# Altium PCB MainBoard.PcbDoc
Units mil, origin at the board's own origin, x right, y up, seen from the top; angles counter-clockwise.
Board outline 11811.02 x 7519.69 mil, 2 copper layers (Top Layer, Bottom Layer); 21 components, 88 nets, 330 pads, 0 vias.
Unrouted connection lines stored in the file: 39.
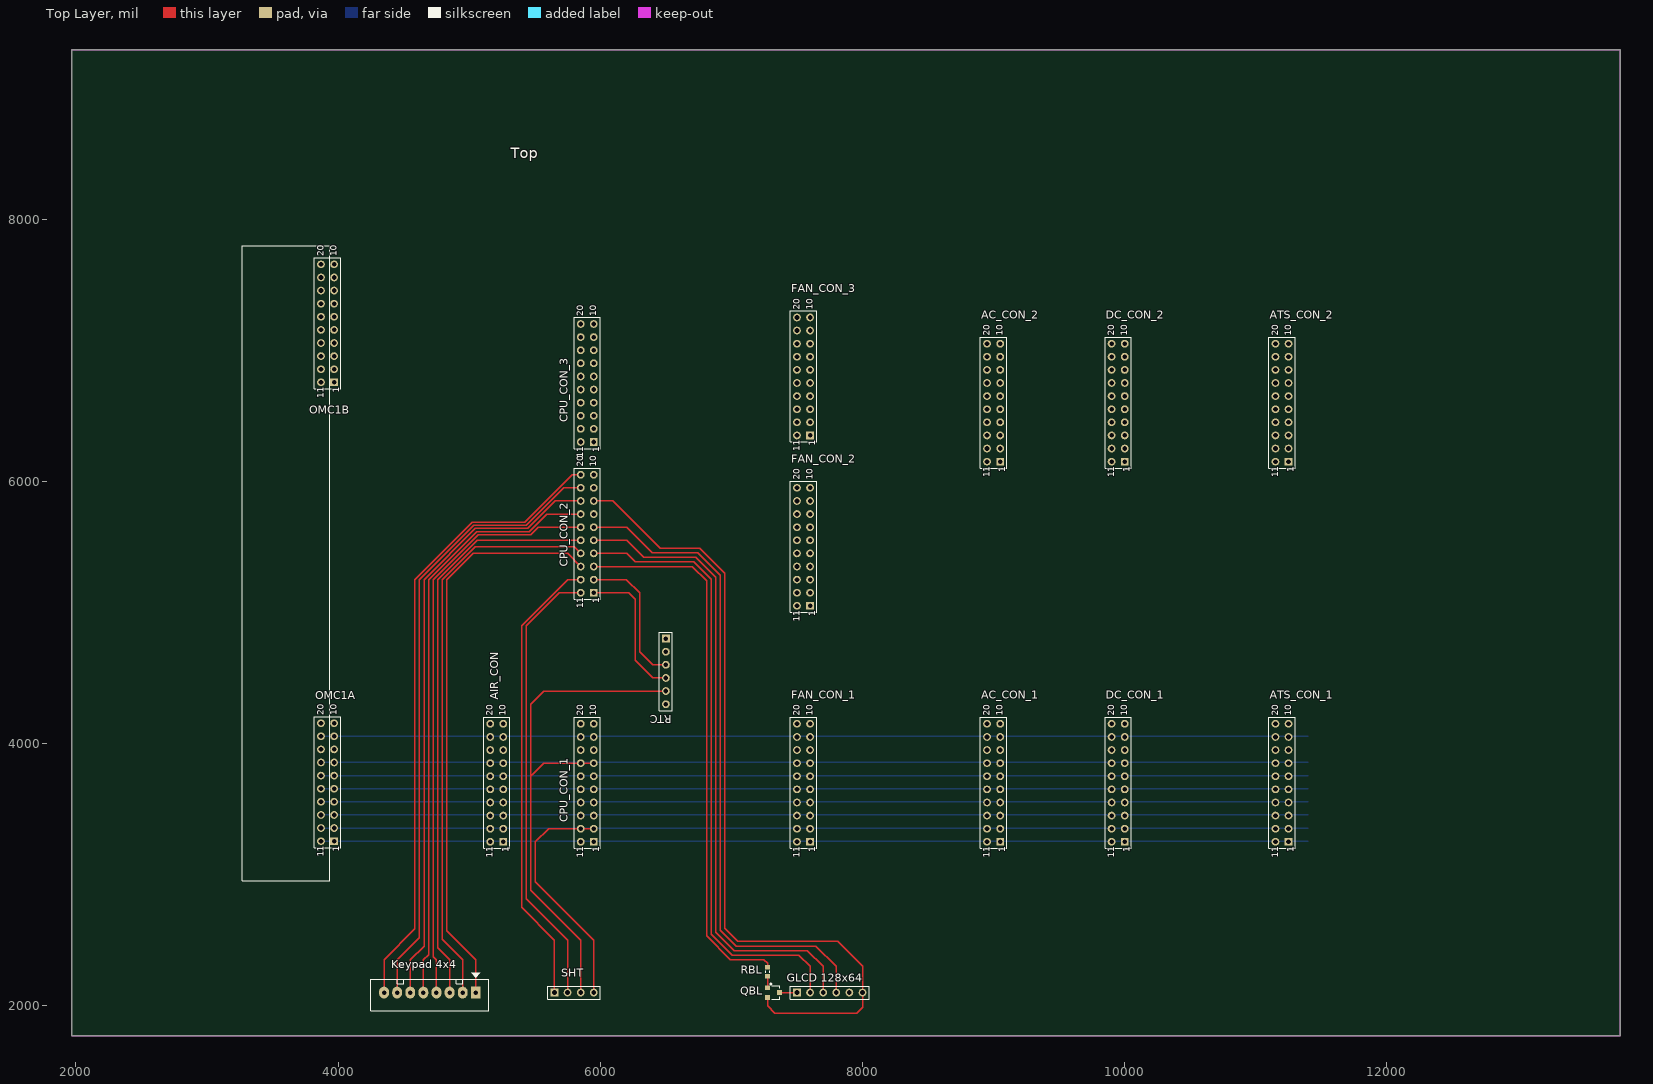
[diagram p0: Top Layer view]
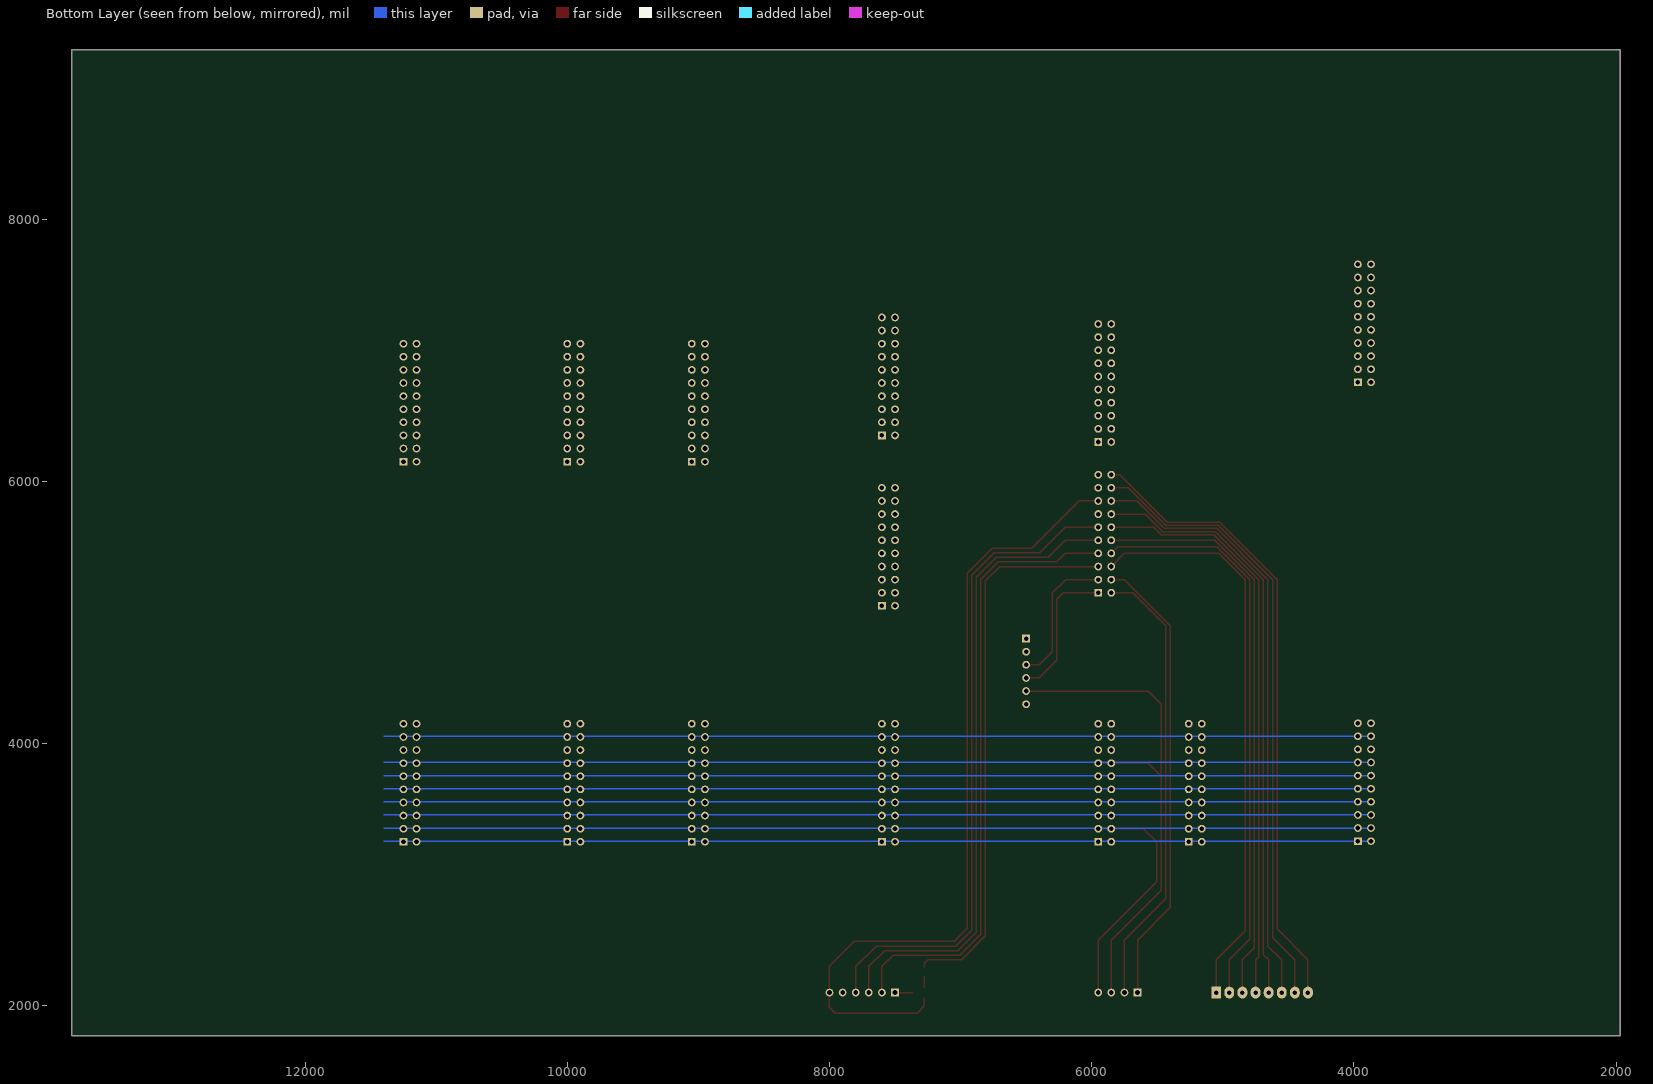
[diagram p1: Bottom Layer view, seen from below]

## Layer stack, top to bottom
Top Solder: solder mask 0.4, Solder Resist, Dk 3.5
Top Layer: signal copper 1.4
Dielectric 1: dielectric 12.6, FR-4, Dk 4.8
Bottom Layer: signal copper 1.4
Bottom Solder: solder mask 0.4, Solder Resist, Dk 3.5

## Board outline
1968.5,1771.65 13779.53,1771.65 13779.53,9291.34 1968.5,9291.34

## Design rules (kind name [scope] priority, off if disabled: settings)
Clearance Clearance_2 [All vs HasPad('FID*')] p1: gap=80
Clearance Clearance_7 [InNet('GND') vs InNet('VAC1')] p2: gap=120
Clearance Clearance_12 [InNet('VAC1') vs InNet('GND')] p3: gap=80
Clearance Clearance_11 [InNet('AGND') vs InNet('GND')] p4: gap=80
Clearance Clearance_8 [InNet('AGND') vs InNet('VAC1')] p5: gap=80
Clearance Clearance_4 [InNet('KDT4') vs (InPoly)] p6: gap=80
Clearance Clearance_5 [InNet('NetK6_2') vs (InPoly)] p7: gap=80
Clearance Clearance_6 [InNet('NetK6_3') vs (InPoly)] p8: gap=80
Clearance Clearance_3 [All vs HasFootprint('XPAD')] p9: gap=2
Clearance Clearance_1 [All vs (InPoly)] p10: gap=40
Clearance [All] p11: gap=10
ComponentClearance [All] p1 off: gap=10 collisioncheckmode=3 verticalgap=10 showdistances=FALSE
FabricationTestPointUsage TestPointUsage [All] p1: valid=0 allowmultiple=FALSE
FabricationTestpoint Testpoint [All] p1: side=3 testpointundercomponent=TRUE minsize=40 maxsize=100 preferedsize=60 minholesize=20 maxholesize=40 preferedholesize=32 testpointgrid=1 allowsidetop=TRUE allowsidebottom=TRUE usegrid=TRUE gridtolerance=0.01
HoleSize [All] p1: absolutevalues=TRUE maxlimit=1000 minlimit=0 maxpercent=80.000 minpercent=20.000
PasteMaskExpansion PasteMaskExpansion_1 [HasPad('FID*')] p1: expansion=-160
PasteMaskExpansion [All] p2: expansion=0
PolygonConnect [All] p1: connectstyle=Direct reliefconductorwidth=10 reliefentries=4 polygonreliefangle="90 Angle" airgapwidth=10
RoutingVias [All] p1: holewidth=28 width=50 viastyle="Through Hole" minholewidth=28 minwidth=50 maxholewidth=28 maxwidth=50
SolderMaskExpansion SolderMaskExpansion_1 [HasPad('FID*')] p1: expansion=40
SolderMaskExpansion [All] p2: expansion=4
Width [All] p1: maxlimit=1000 minlimit=5 preferedwidth=40
25 further rules are at their usual default settings.

## Components (designator, comment, footprint, x,y, rotation, side; value= is the part's Value field where it differs from the comment)
AC_CON_1 "Header 10X2A" HDR2X10_CEN 9050,3250 r90 top
AC_CON_2 "Header 10X2A" HDR2X10_CEN 9050,6150 r90 top
AIR_CON "Header 10X2A" HDR2X10_CEN 5260,3250 r90 top
ATS_CON_1 "Header 10X2A" HDR2X10_CEN 11250,3250 r90 top
ATS_CON_2 "Header 10X2A" HDR2X10_CEN 11250,6150 r90 top
CPU_CON_1 "Header 10X2A" HDR2X10_CEN 5950,3250 r90 top
CPU_CON_2 "Header 10X2A" HDR2X10_CEN 5950,5150 r90 top
CPU_CON_3 "Header 10X2A" HDR2X10_CEN 5950,6300 r90 top
DC_CON_1 "Header 10X2A" HDR2X10_CEN 10000,3250 r90 top
DC_CON_2 "Header 10X2A" HDR2X10_CEN 10000,6150 r90 top
FAN_CON_1 "Header 10X2A" HDR2X10_CEN 7600,3250 r90 top
FAN_CON_2 "Header 10X2A" HDR2X10_CEN 7600,5050 r90 top
FAN_CON_3 "Header 10X2A" HDR2X10_CEN 7600,6350 r90 top
"GLCD 128x64" "Header 6" HDR1X6 7500,2100 r0 top
"Keypad 4x4" "JP8" CON8 5050,2100 r180 top
OMC1A "Header 10X2A" HDR2X10_CEN 3969,3255 r90 top
OMC1B "Header 10X2A" HDR2X10_CEN 3969,6755 r90 top locked
QBL "C828" "SOT23 TOP" 7321,2100 r270 top
RBL "Res" RESC1608N_ZERO 7276,2259 r270 top
RTC "Header 6" HDR1X6 6500,4800 r270 top
SHT "Header 4" HDR1X4 5650,2100 r0 top

## Footprints (in the part's own frame and the unit in brackets; to place one, negate y for a bottom-side part, rotate by r counter-clockwise, add the part's x,y. Pads: shape width x height; smd on the part's side, far side on the other; paste and mask are expansions set on the pad)
CON8 [mil] "CON8"
  rect 75x90 hole 34: 1(0,0)
  oval 75x90 hole 34: 2(100,0) 3(200,0) 4(300,0) 5(400,0) 6(500,0) 7(600,0) 8(700,0)
  silkscreen extent -100,-150 800,140
HDR1X4 [mm] "Connector; Header; 4 Position"
  rect 1.5x1.5 hole 0.9: 1(0,0)
  round 1.5 hole 0.9: 2(2.54,0) 3(5.08,0) 4(7.62,0)
  silkscreen extent -1.27,-1.27 8.89,1.27, body extent -1.27,-1.27 8.89,1.27, height 7
HDR1X6 [mm] "Connector; Header; 6 Position"
  rect 1.5x1.5 hole 0.9: 1(0,0)
  round 1.5 hole 0.9: 2(2.54,0) 3(5.08,0) 4(7.62,0) 5(10.16,0) 6(12.7,0)
  silkscreen extent -1.27,-1.27 13.97,1.27
HDR2X10_CEN [mm] "Connector; Header; 10x2 Position"
  rect 1.5x1.5 hole 0.9: 1(0,0)
  round 1.5 hole 0.9: 2(2.54,0) 3(5.08,0) 4(7.62,0) 5(10.16,0) 6(12.7,0) 7(15.24,0) 8(17.78,0) 9(20.32,0) 10(22.86,0) 11(0,2.54) 12(2.54,2.54) 13(5.08,2.54) 14(7.62,2.54) 15(10.16,2.54) 16(12.7,2.54) 17(15.24,2.54) 18(17.78,2.54) 19(20.32,2.54) 20(22.86,2.54)
  silkscreen extent -1.27,-1.27 24.13,3.81
RESC1608N_ZERO [mm] "Chip Resistor, Body 1.6x0.8mm, 0603, IPC Medium Density"
  round 0.254 on Mech14: 0(0,0)
  rrect25% 0.9x1 smd: 1(-0.85,0) 2(0.85,0)
  Top Layer pour cut-out: -0.4,0.6 0.4,0.6 0.4,-0.6 -0.4,-0.6
  silkscreen extent -0.15,-0.41 0.15,0.41, body extent -0.87,-0.47 0.88,0.48, height 0.54
"SOT23 TOP" [mm]
  rect 0.9x0.95 smd: 1(-0.965,-1.143) 2(0,1.143) 3(0.965,-1.143)
  silkscreen extent -1.77,-0.63 1.3,1.25, body extent -1.46,-1.17 1.46,1.17, height 1

## Part data
AC_CON_1 AC_CON_2 AIR_CON ATS_CON_1 ATS_CON_2 CPU_CON_1 CPU_CON_2 CPU_CON_3 DC_CON_1 DC_CON_2 FAN_CON_1 FAN_CON_2 FAN_CON_3 OMC1A OMC1B: "Header, 10-Pin, Dual row"
"GLCD 128x64" RTC: "Header, 6-Pin"
"Keypad 4x4": library part Con8, "Connector 8"
QBL: library part NPN, "Transistor C828 C1815...."
SHT: "Header, 4-Pin"

## Nets (pads, with @x,y where several pads share a name; then routed paths per layer and width w, separated by ;. In a path a pad name is that pad's centre, name@x,y a point inside that pad or via, vN(x,y) a via of type N, cw(c..) or ccw(c..) an arc to the next point about the centre after c; other vN are vias at no path point)
+3V3: AC_CON_1.7 AC_CON_1.17 AIR_CON.7 AIR_CON.17 ATS_CON_1.7 ATS_CON_1.17 CPU_CON_1.7 CPU_CON_1.17 DC_CON_1.7 DC_CON_1.17 FAN_CON_1.7 FAN_CON_1.17 OMC1A.7 OMC1A.17 RTC.5 SHT.3 | length 11481.2
  Top Layer w10: SHT.3 5850,2500 5470,2880 5470,3750 ; CPU_CON_1.7 CPU_CON_1.17 5570,3850 5470,3750 ; RTC.5 5570,4400 5470,4300 5470,3750
  Bottom Layer w10: OMC1A.17 OMC1A.7 11400,3855
+5V_IN: "GLCD 128x64.5" AC_CON_1.3 AC_CON_1.13 AIR_CON.3 AIR_CON.13 ATS_CON_1.3 ATS_CON_1.13 CPU_CON_1.3 CPU_CON_1.13 CPU_CON_2.7 DC_CON_1.3 DC_CON_1.13 FAN_CON_1.3 FAN_CON_1.13 OMC1A.3 OMC1A.13 | length 7531
  Bottom Layer w10: OMC1A.13 OMC1A.3 11400,3455
+12V_IN: AC_CON_1.1 AC_CON_1.11 AIR_CON.1 AIR_CON.11 ATS_CON_1.1 ATS_CON_1.11 CPU_CON_1.1 CPU_CON_1.11 DC_CON_1.1 DC_CON_1.11 FAN_CON_1.1 FAN_CON_1.11 OMC1A.1 OMC1A.11 | length 7531
  Bottom Layer w10: OMC1A.11 OMC1A.1 10143,3255 11400,3255
+48V_IN: FAN_CON_3.10 FAN_CON_3.20
AUX1: CPU_CON_3.9
AUX2: CPU_CON_3.8
AUX3: CPU_CON_3.7
AUX4: CPU_CON_3.6
AUX5: CPU_CON_3.5
AUX6: CPU_CON_3.4
AUX7: CPU_CON_3.3
AUX8: CPU_CON_3.2
AUX9: CPU_CON_3.1
CF: AC_CON_2.4
COLUM1: "Keypad 4x4.5" CPU_CON_2.17 | length 4533.7
  Top Layer w10: 4650,2100 4650,2350 4690,2390 4690,5250 5056.72,5616.72 5456.72,5616.72 5590,5750 CPU_CON_2.17
COLUM2: "Keypad 4x4.6" CPU_CON_2.18 | length 4637
  Top Layer w10: 4550,2100 4550,2350 4655,2455 4655,5250 5045.07,5640.07 5445.07,5640.07 5655,5850 CPU_CON_2.18
COLUM3: "Keypad 4x4.7" CPU_CON_2.19 | length 4740.4
  Top Layer w10: 4450,2100 4450,2350 4620,2520 4620,5250 5033.43,5663.43 5433.43,5663.43 5720,5950 CPU_CON_2.19
COLUM4: "Keypad 4x4.8" CPU_CON_2.20 | length 4843.7
  Top Layer w10: 4350,2100 4350,2350 4585,2585 4585,5250 5021.79,5686.79 5421.79,5686.79 5785,6050 CPU_CON_2.20
COM1: OMC1B.16
COM2: OMC1B.17
COM3: OMC1B.18
COM4: OMC1B.19
COM5: OMC1B.20
COM6: OMC1B.11
COM7: OMC1B.12
COM8: OMC1B.13
COM9: OMC1B.14
COM10: OMC1B.15
CTA: AC_CON_2.10
CTB: AC_CON_2.9
DC0: DC_CON_2.20
DC1: DC_CON_2.19
DC2: DC_CON_2.18
DC3: DC_CON_2.17
DC4: DC_CON_2.16
DC5: DC_CON_2.15
DC6: DC_CON_2.14
FAN1_OUT: FAN_CON_2.6 FAN_CON_2.7 FAN_CON_2.8 FAN_CON_2.9 FAN_CON_2.10
FAN2_OUT: FAN_CON_2.1 FAN_CON_2.2 FAN_CON_2.3 FAN_CON_2.4 FAN_CON_2.5
FAN3_OUT: FAN_CON_2.16 FAN_CON_2.17 FAN_CON_2.18 FAN_CON_2.19 FAN_CON_2.20
FAN4_OUT: FAN_CON_2.11 FAN_CON_2.12 FAN_CON_2.13 FAN_CON_2.14 FAN_CON_2.15
GATEA: CPU_CON_3.20
GCF: ATS_CON_2.4
GCTA: ATS_CON_2.10
GCTB: ATS_CON_2.9
GLCD_BL: CPU_CON_2.3 RBL.1 | length 4196.1
  Top Layer w10: CPU_CON_2.3 6700,5350 6810,5240 6810,2532.01 6992.01,2350 7248,2350 7276,2322 RBL.1
GLCD_EN: "GLCD 128x64.2" CPU_CON_2.4 | length 4741.1
  Top Layer w10: CPU_CON_2.4 6200,5450 6265,5385 6714.5,5385 6845,5254.5 6845,2546.51 7006.51,2385 7515,2385 7600,2300 7600,2100
GLCD_RS: "GLCD 128x64.4" CPU_CON_2.6 | length 5023.9
  Top Layer w10: CPU_CON_2.6 6200,5650 6395,5455 6743.49,5455 6915,5283.49 6915,2575.5 7035.5,2455 7645,2455 7800,2300 7800,2100
GLCD_RW: "GLCD 128x64.3" CPU_CON_2.5 | length 4882.5
  Top Layer w10: CPU_CON_2.5 6200,5550 6330,5420 6728.99,5420 6880,5268.99 6880,2561.01 7021.01,2420 7580,2420 7700,2300 7700,2100
GLIVE_IN: ATS_CON_2.5
GND: "GLCD 128x64.6" AC_CON_1.2 AC_CON_1.4 AC_CON_1.12 AC_CON_1.14 AIR_CON.2 AIR_CON.4 AIR_CON.12 AIR_CON.14 ATS_CON_1.2 ATS_CON_1.4 ATS_CON_1.12 ATS_CON_1.14 CPU_CON_1.2 CPU_CON_1.4 CPU_CON_1.12 CPU_CON_1.14 CPU_CON_2.8 DC_CON_1.2 DC_CON_1.4 DC_CON_1.12 DC_CON_1.14 FAN_CON_1.2 FAN_CON_1.4 FAN_CON_1.12 FAN_CON_1.14 OMC1A.2 OMC1A.4 OMC1A.12 OMC1A.14 QBL.3 RTC.6 SHT.4 | length 23129.5
  Top Layer w10: SHT.4 5950,2500 5505,2945 5505,3250 5605,3350 CPU_CON_1.12 CPU_CON_1.2 ; CPU_CON_2.8 6096.21,5850 6456.21,5490 6757.99,5490 6950,5297.99 6950,2590 7050,2490 7810,2490 8000,2300 8000,2100 8000,1988 7956,1944 7331,1944 7276,1999 QBL.3
  Bottom Layer w10: OMC1A.12 OMC1A.2 11400,3355 ; OMC1A.14 OMC1A.4 11400,3555
GNEUTRAL_IN: ATS_CON_2.6
I2C_SCL: CPU_CON_2.2 RTC.3 | length 1082.5
  Top Layer w10: CPU_CON_2.2 6199.5,5250 6300,5149.5 6300,4700 6400,4600 RTC.3
I2C_SDA: CPU_CON_2.1 RTC.4 | length 1091.6
  Top Layer w10: CPU_CON_2.1 6215,5150 6265,5100 6265,4635 6400,4500 RTC.4
IDC: AC_CON_1.9 AC_CON_1.19 AIR_CON.9 AIR_CON.19 ATS_CON_1.9 ATS_CON_1.19 CPU_CON_1.9 CPU_CON_1.19 DC_CON_1.9 DC_CON_1.19 FAN_CON_1.9 FAN_CON_1.19 OMC1A.9 OMC1A.19 | length 7531
  Bottom Layer w10: OMC1A.19 OMC1A.9 10143,4055 11400,4055
IRA+: AIR_CON.10
IRB+: AIR_CON.20
LIVE_IN: AC_CON_2.5
NC1: OMC1B.6
"NetGLCD 128x64_1": "GLCD 128x64.1" QBL.2 | length 134
  Top Layer w10: QBL.2 7500,2100
NetQBL_1: QBL.1 RBL.2 | length 87.5
  Top Layer w10: QBL.1 RBL.2
NEUTRAL_IN: AC_CON_2.6
NO2: OMC1B.7
NO3: OMC1B.8
NO4: OMC1B.9
NO5: OMC1B.10
NO6: OMC1B.1
NO7: OMC1B.2
NO8: OMC1B.3
NO9: OMC1B.4
NO10: OMC1B.5
OC_GC: ATS_CON_2.12
OC_MC: ATS_CON_2.13
OC_SC: ATS_CON_2.11
PGND: FAN_CON_3.1 FAN_CON_3.2 FAN_CON_3.3 FAN_CON_3.4 FAN_CON_3.5 FAN_CON_3.6 FAN_CON_3.7 FAN_CON_3.8 FAN_CON_3.9 FAN_CON_3.11 FAN_CON_3.12 FAN_CON_3.13 FAN_CON_3.14 FAN_CON_3.15 FAN_CON_3.16 FAN_CON_3.17 FAN_CON_3.18 FAN_CON_3.19
"PIR A": CPU_CON_3.17
ROW1: "Keypad 4x4.1" CPU_CON_2.13 | length 4385.4
  Top Layer w10: 5050,2100 5050,2350 4830,2570 4830,5250 5030,5450 5750,5450 CPU_CON_2.13
ROW2: "Keypad 4x4.2" CPU_CON_2.14 | length 4393.5
  Top Layer w10: 4950,2100 4950,2350 4795,2505 4795,5250 5045,5500 5800,5500 CPU_CON_2.14
ROW3: "Keypad 4x4.3" CPU_CON_2.15 | length 4401.5
  Top Layer w10: 4850,2100 4850,2350 4760,2440 4760,5250 5060,5550 CPU_CON_2.15
ROW4: "Keypad 4x4.4" CPU_CON_2.16 | length 4451
  Top Layer w10: 4750,2100 4750,2350 4725,2375 4725,5250 5068.36,5593.36 5468.36,5593.36 5525,5650 CPU_CON_2.16
RS485A: AC_CON_1.5 AC_CON_1.15 AIR_CON.5 AIR_CON.15 ATS_CON_1.5 ATS_CON_1.15 CPU_CON_1.5 CPU_CON_1.15 DC_CON_1.5 DC_CON_1.15 FAN_CON_1.5 FAN_CON_1.15 OMC1A.5 OMC1A.15 | length 7531
  Bottom Layer w10: OMC1A.15 OMC1A.5 10143,3655 11400,3655
RS485B: AC_CON_1.6 AC_CON_1.16 AIR_CON.6 AIR_CON.16 ATS_CON_1.6 ATS_CON_1.16 CPU_CON_1.6 CPU_CON_1.16 DC_CON_1.6 DC_CON_1.16 FAN_CON_1.6 FAN_CON_1.16 OMC1A.6 OMC1A.16 | length 7531
  Bottom Layer w10: OMC1A.16 OMC1A.6 10143,3755 11400,3755
SHT_SCL: CPU_CON_2.11 SHT.2 | length 3449
  Top Layer w10: SHT.2 5750,2500 5435,2815 5435,4900 5685,5150 CPU_CON_2.11
SHT_SDA: CPU_CON_2.12 SHT.1 | length 3498.5
  Top Layer w10: SHT.1 5650,2500 5400,2750 5400,4900 5750,5250 CPU_CON_2.12
"SMOKE A": CPU_CON_3.19
"SMOKE POWER": CPU_CON_3.10
TEMP-: DC_CON_2.13
"WATER A": CPU_CON_3.18
pads on no net: AC_CON_1.8 AC_CON_1.10 AC_CON_1.18 AC_CON_1.20 AC_CON_2.1 AC_CON_2.2 AC_CON_2.3 AC_CON_2.7 AC_CON_2.8 AC_CON_2.11 AC_CON_2.12 AC_CON_2.13 AC_CON_2.14 AC_CON_2.15 AC_CON_2.16 AC_CON_2.17 AC_CON_2.18 AC_CON_2.19 AC_CON_2.20 AIR_CON.8 AIR_CON.18 ATS_CON_1.8 ATS_CON_1.10 ATS_CON_1.18 ATS_CON_1.20 ATS_CON_2.1 ATS_CON_2.2 ATS_CON_2.3 ATS_CON_2.7 ATS_CON_2.8 ATS_CON_2.14 ATS_CON_2.15 ATS_CON_2.16 ATS_CON_2.17 ATS_CON_2.18 ATS_CON_2.19 ATS_CON_2.20 CPU_CON_1.8 CPU_CON_1.10 CPU_CON_1.18 CPU_CON_1.20 CPU_CON_2.9 CPU_CON_2.10 CPU_CON_3.11 CPU_CON_3.12 CPU_CON_3.13 CPU_CON_3.14 CPU_CON_3.15 CPU_CON_3.16 DC_CON_1.8 DC_CON_1.10 DC_CON_1.18 DC_CON_1.20 DC_CON_2.1 DC_CON_2.2 DC_CON_2.3 DC_CON_2.4 DC_CON_2.5 DC_CON_2.6 DC_CON_2.7 DC_CON_2.8 DC_CON_2.9 DC_CON_2.10 DC_CON_2.11 DC_CON_2.12 FAN_CON_1.8 FAN_CON_1.10 FAN_CON_1.18 FAN_CON_1.20 OMC1A.8 OMC1A.10 OMC1A.18 OMC1A.20 RBL.0 RTC.1 RTC.2

## Keep-outs
Keep-Out Layer:
  the board outline again, w5.91

## Silkscreen, mask and mechanical layers (free items; w line width, h text height)
Top Overlay:
  lines w5.91: 3267.72,2952.76 3267.72,7795.28 3937.01,7795.28 3937.01,2952.76 3267.72,2952.76
  text "Top" at 5314.96,8464.57 h80

## Dimensions
13779.53,1653.54 to 1968.5,1574.8 on Top Overlay
1811.02,9291.34 to 1850.39,1771.65 on Top Overlay
3110.24,7795.28 to 3149.61,2952.76 on Top Overlay
3267.72,2834.65 to 4015.75,2834.65 on Top Overlay

## Text inside footprints (layer, text, board x,y; h text height)
AC_CON_1: Top Overlay "1" at 9090,3170 h50 r90; Top Overlay "1" at 8970,3130 h50 r90; Top Overlay "1" at 8970,3170 h50 r90; Top Overlay "10" at 9070,4210 h50 r90; Top Overlay "20" at 8970,4210 h50 r90
AC_CON_2: Top Overlay "1" at 9090,6070 h50 r90; Top Overlay "1" at 8970,6030 h50 r90; Top Overlay "1" at 8970,6070 h50 r90; Top Overlay "10" at 9070,7110 h50 r90; Top Overlay "20" at 8970,7110 h50 r90
AIR_CON: Top Overlay "20" at 5180,4210 h50 r90; Top Overlay "10" at 5280,4210 h50 r90; Top Overlay "1" at 5180,3170 h50 r90; Top Overlay "1" at 5180,3130 h50 r90; Top Overlay "1" at 5300,3170 h50 r90
ATS_CON_1: Top Overlay "20" at 11170,4210 h50 r90; Top Overlay "10" at 11270,4210 h50 r90; Top Overlay "1" at 11170,3170 h50 r90; Top Overlay "1" at 11170,3130 h50 r90; Top Overlay "1" at 11290,3170 h50 r90
ATS_CON_2: Top Overlay "20" at 11170,7110 h50 r90; Top Overlay "10" at 11270,7110 h50 r90; Top Overlay "1" at 11170,6070 h50 r90; Top Overlay "1" at 11170,6030 h50 r90; Top Overlay "1" at 11290,6070 h50 r90
CPU_CON_1: Top Overlay "1" at 5990,3170 h50 r90; Top Overlay "1" at 5870,3130 h50 r90; Top Overlay "1" at 5870,3170 h50 r90; Top Overlay "10" at 5970,4210 h50 r90; Top Overlay "20" at 5870,4210 h50 r90
CPU_CON_2: Top Overlay "1" at 5990,5070 h50 r90; Top Overlay "1" at 5870,5030 h50 r90; Top Overlay "1" at 5870,5070 h50 r90; Top Overlay "10" at 5970,6110 h50 r90; Top Overlay "20" at 5870,6110 h50 r90
CPU_CON_3: Top Overlay "1" at 5990,6220 h50 r90; Top Overlay "1" at 5870,6180 h50 r90; Top Overlay "1" at 5870,6220 h50 r90; Top Overlay "10" at 5970,7260 h50 r90; Top Overlay "20" at 5870,7260 h50 r90
DC_CON_1: Top Overlay "1" at 10040,3170 h50 r90; Top Overlay "1" at 9920,3130 h50 r90; Top Overlay "1" at 9920,3170 h50 r90; Top Overlay "10" at 10020,4210 h50 r90; Top Overlay "20" at 9920,4210 h50 r90
DC_CON_2: Top Overlay "1" at 10040,6070 h50 r90; Top Overlay "1" at 9920,6030 h50 r90; Top Overlay "1" at 9920,6070 h50 r90; Top Overlay "10" at 10020,7110 h50 r90; Top Overlay "20" at 9920,7110 h50 r90
FAN_CON_1: Top Overlay "1" at 7640,3170 h50 r90; Top Overlay "1" at 7520,3130 h50 r90; Top Overlay "1" at 7520,3170 h50 r90; Top Overlay "10" at 7620,4210 h50 r90; Top Overlay "20" at 7520,4210 h50 r90
FAN_CON_2: Top Overlay "1" at 7640,4970 h50 r90; Top Overlay "1" at 7520,4930 h50 r90; Top Overlay "1" at 7520,4970 h50 r90; Top Overlay "10" at 7620,6010 h50 r90; Top Overlay "20" at 7520,6010 h50 r90
FAN_CON_3: Top Overlay "1" at 7640,6270 h50 r90; Top Overlay "1" at 7520,6230 h50 r90; Top Overlay "1" at 7520,6270 h50 r90; Top Overlay "10" at 7620,7310 h50 r90; Top Overlay "20" at 7520,7310 h50 r90
OMC1A: Top Overlay "20" at 3889,4215 h50 r90; Top Overlay "10" at 3989,4215 h50 r90; Top Overlay "1" at 3889,3175 h50 r90; Top Overlay "1" at 3889,3135 h50 r90; Top Overlay "1" at 4009,3175 h50 r90
OMC1B: Top Overlay "20" at 3889,7715 h50 r90; Top Overlay "10" at 3989,7715 h50 r90; Top Overlay "1" at 3889,6675 h50 r90; Top Overlay "1" at 3889,6635 h50 r90; Top Overlay "1" at 4009,6675 h50 r90